# KiCad board rabbit_mask_video_edit.kicad_pcb (continued)
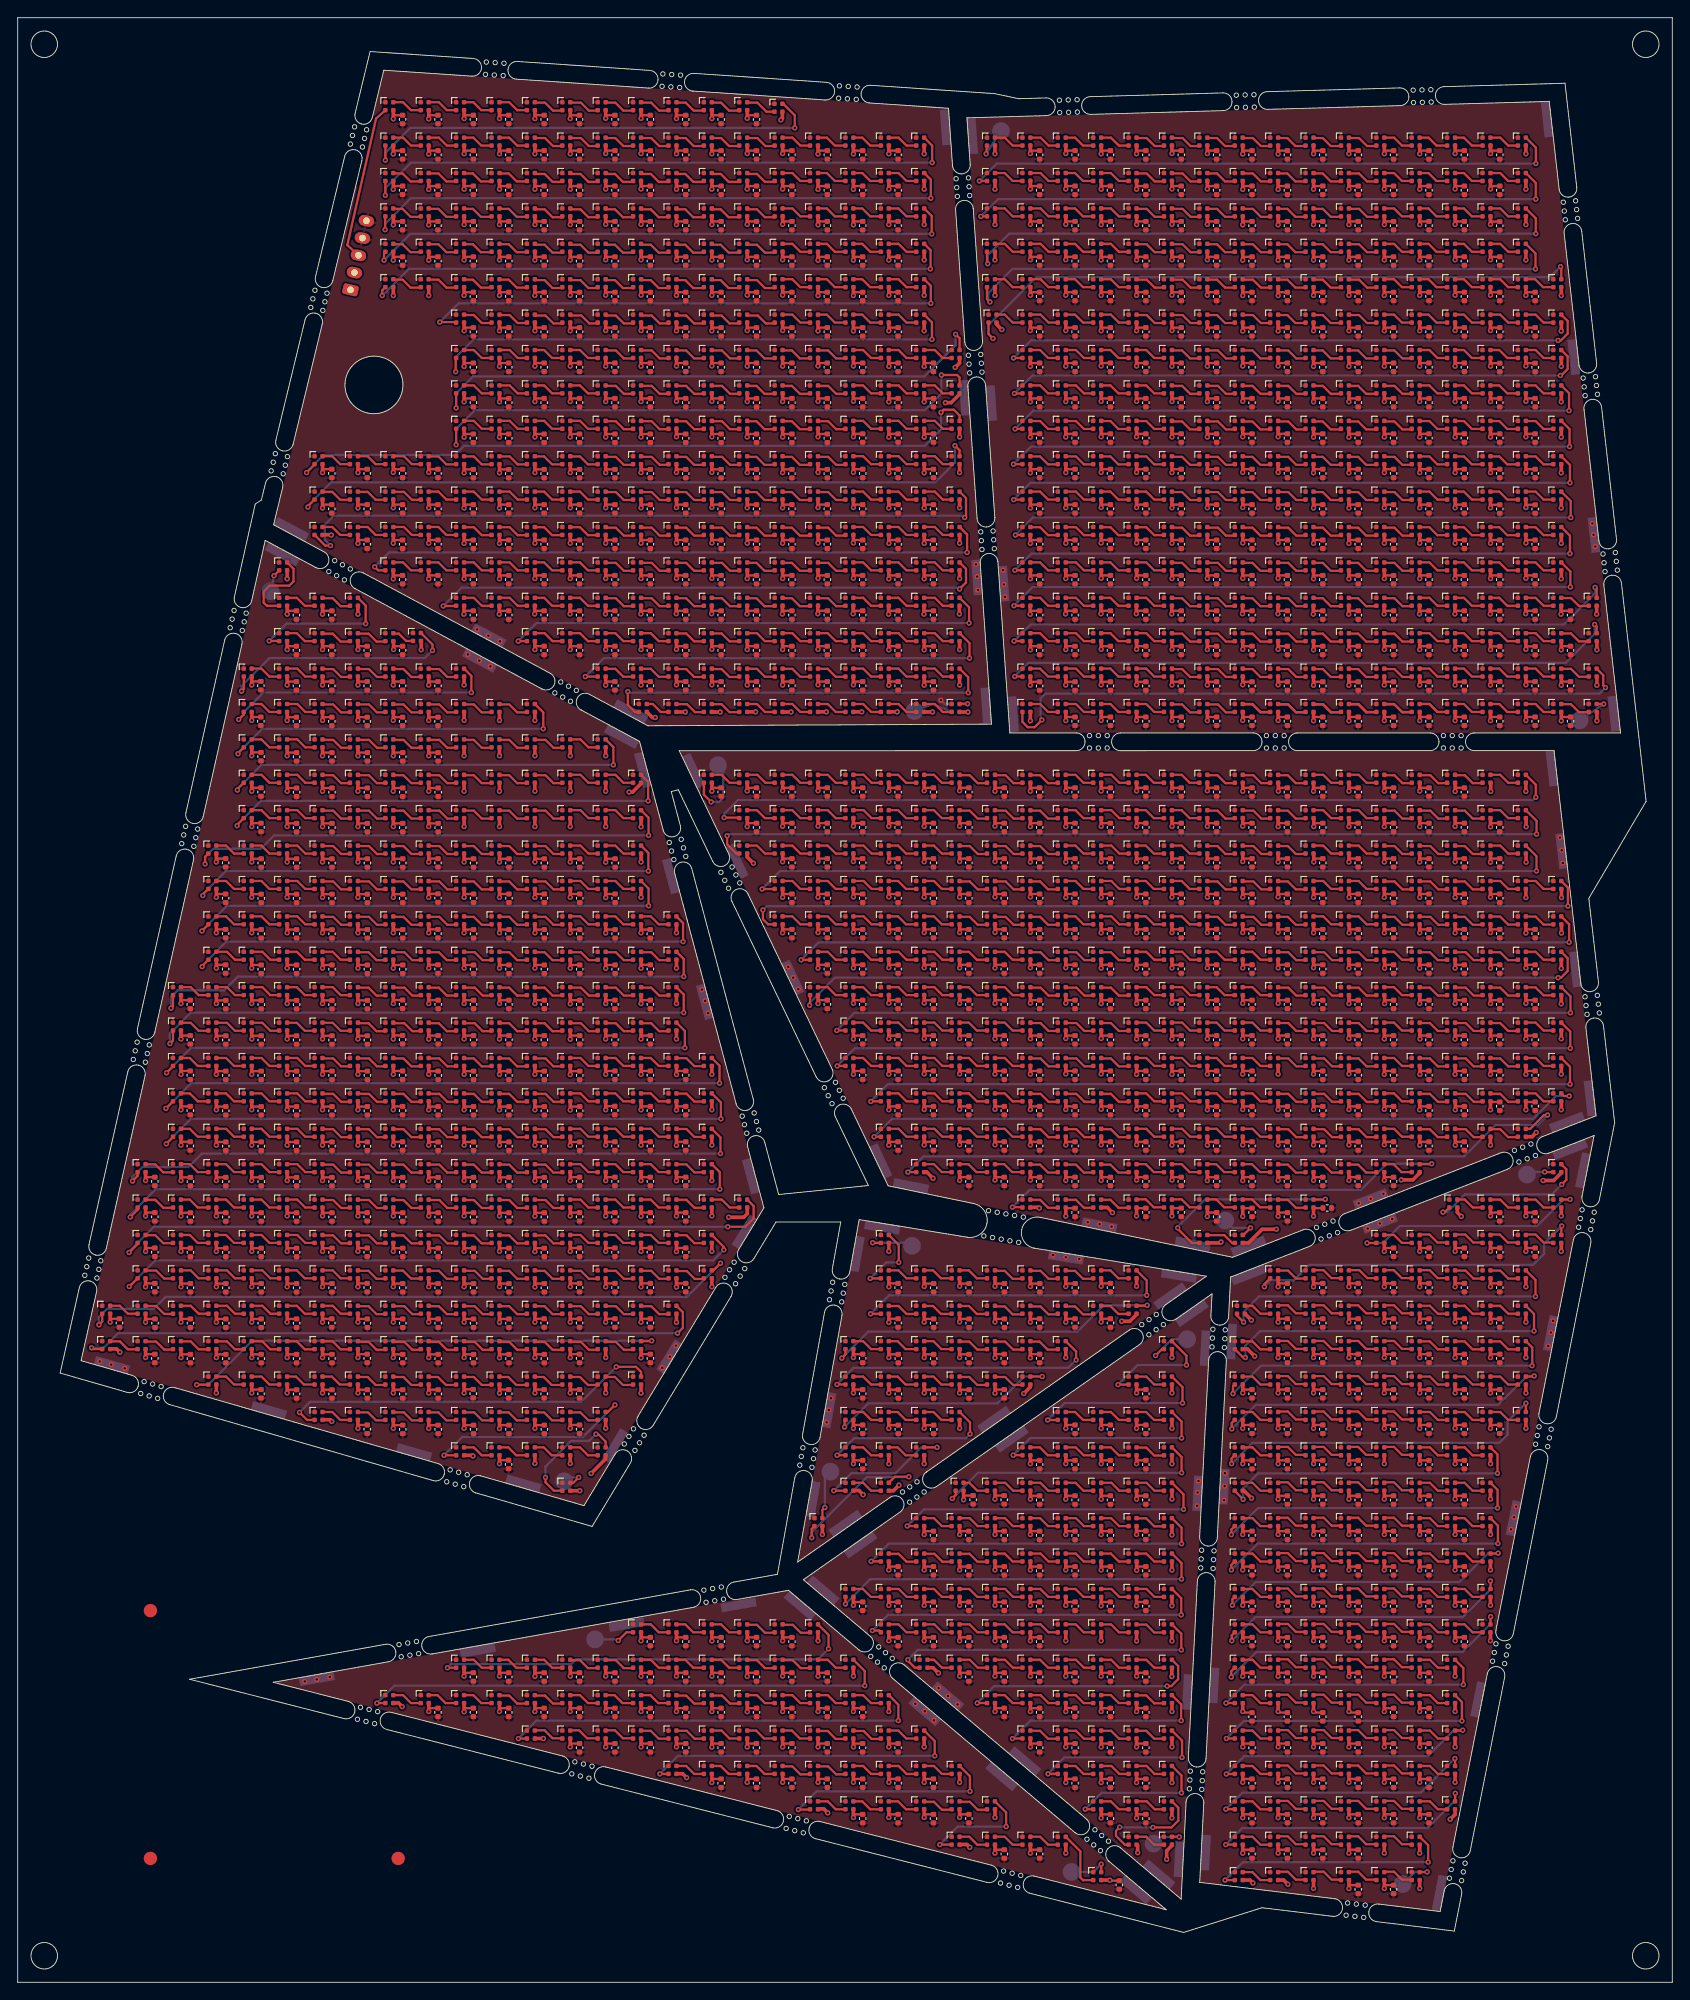
[diagram p0: board, top side]
## Routing (per net, layer and track width the routed paths; a pad name or vN(x,y) marks a point on that pad's centre or on a via; arc(x,y) is an arc through that point) (continued)
Net-(D770-DOUT): length 3.5
  Top w0.25: 162.45,120.4 163.55,120.4 164.45,119.5 165.55,119.5
Net-(D771-DOUT): length 3.5
  Top w0.25: 169.55,119.53 168.45,119.53 167.55,120.42 166.45,120.42
Net-(D772-DOUT): length 3.5
  Top w0.25: 170.45,120.42 171.55,120.42 172.45,119.53 173.55,119.53
Net-(D773-DOUT): length 91.9
  Top w0.25: v1(88.54,115.54) 89.54,115.54 D788.1 ; D773.3 175.34,119.56 v1(175.34,117.52)
  Bottom w0.25: v1(88.54,115.54) 90.52,117.52 v1(175.34,117.52)
Net-(D774-DOUT): length 3.5
  Top w0.25: 22.55,116.45 23.65,116.45 24.55,115.55 25.65,115.55
Net-(D775-DOUT): length 3.5
  Top w0.25: 26.55,116.45 27.65,116.45 28.55,115.55 29.65,115.55
Net-(D776-DOUT): length 3.5
  Top w0.25: D776.3 31.55,116.45 32.45,115.55 D777.1
Net-(D777-DOUT): length 3.5
  Top w0.25: 37.6,115.55 36.5,115.55 35.6,116.45 34.5,116.45
Net-(D778-DOUT): length 3.5
  Top w0.25: 41.65,115.5 40.55,115.5 39.65,116.4 38.55,116.4
Net-(D779-DOUT): length 3.5
  Top w0.25: 45.7,115.5 44.6,115.5 43.7,116.4 42.6,116.4
Net-(D780-DOUT): length 3.5
  Top w0.25: 46.5,116.4 47.6,116.4 48.5,115.5 49.6,115.5
Net-(D781-DOUT): length 3.5
  Top w0.25: 50.55,116.4 51.65,116.4 52.55,115.5 53.65,115.5
Net-(D782-DOUT): length 3.5
  Top w0.25: 57.55,115.5 56.45,115.5 55.55,116.4 54.45,116.4
Net-(D783-DOUT): length 3.5
  Top w0.25: 58.45,116.4 59.55,116.4 60.45,115.5 61.55,115.5
Net-(D784-DOUT): length 3.5
  Top w0.25: 65.65,115.5 64.55,115.5 63.65,116.4 62.55,116.4
Net-(D785-DOUT): length 3.5
  Top w0.25: 66.5,116.4 67.6,116.4 68.5,115.5 69.6,115.5
Net-(D786-DOUT): length 3.5
  Top w0.25: 73.6,115.5 72.5,115.5 71.6,116.4 70.5,116.4
Net-(D787-DOUT): length 64.9
  Top w0.25: D810.1 17.55,110.3 v1(17.33,110.07) ; D787.3 75.28,115.62 v1(75.28,113.65)
  Bottom w0.25: v1(75.28,113.65) 24.88,113.65 23.33,112.1 18.08,112.1 17.33,111.35 v1(17.33,110.07)
Net-(D788-DOUT): length 3.5
  Top w0.25: D788.3 91.55,116.45 92.45,115.55 D789.1
Net-(D789-DOUT): length 3.5
  Top w0.25: D790.1 96.45,115.55 95.55,116.45 D789.3
Net-(D790-DOUT): length 3.5
  Top w0.25: D791.1 100.45,115.55 99.55,116.45 D790.3
Net-(D791-DOUT): length 3.5
  Top w0.25: 105.6,115.55 104.5,115.55 103.6,116.45 102.5,116.45
Net-(D792-DOUT): length 3.5
  Top w0.25: 106.4,116.45 107.5,116.45 108.4,115.55 109.5,115.55
Net-(D793-DOUT): length 3.5
  Top w0.25: D794.1 112.45,115.55 111.55,116.45 D793.3
Net-(D794-DOUT): length 3.5
  Top w0.25: 117.6,115.5 116.5,115.5 115.6,116.4 114.5,116.4
Net-(D795-DOUT): length 3.5
  Top w0.25: 121.65,115.5 120.55,115.5 119.65,116.4 118.55,116.4
Net-(D796-DOUT): length 3.5
  Top w0.25: 125.55,115.5 124.45,115.5 123.55,116.4 122.45,116.4
Net-(D797-DOUT): length 3.5
  Top w0.25: D797.3 127.55,116.45 128.45,115.55 D798.1
Net-(D798-DOUT): length 3.5
  Top w0.25: 133.6,115.55 132.5,115.55 131.6,116.45 130.5,116.45
Net-(D799-DOUT): length 3.5
  Top w0.25: 134.4,116.45 135.5,116.45 136.4,115.55 137.5,115.55
Net-(D800-DOUT): length 3.5
  Top w0.25: D801.1 140.45,115.55 139.55,116.45 D800.3
Net-(D801-DOUT): length 3.5
  Top w0.25: 142.5,116.4 143.6,116.4 144.5,115.5 145.6,115.5
Net-(D802-DOUT): length 3.5
  Top w0.25: 149.65,115.5 148.55,115.5 147.65,116.4 146.55,116.4
Net-(D803-DOUT): length 3.5
  Top w0.25: 150.45,116.4 151.55,116.4 152.45,115.5 153.55,115.5
Net-(D804-DOUT): length 3.5
  Top w0.25: D805.1 156.45,115.55 155.55,116.45 D804.3
Net-(D805-DOUT): length 3.5
  Top w0.25: 158.5,116.4 159.6,116.4 160.5,115.5 161.6,115.5
Net-(D806-DOUT): length 3.5
  Top w0.25: 162.55,116.4 163.65,116.4 164.55,115.5 165.65,115.5
Net-(D807-DOUT): length 3.5
  Top w0.25: 169.55,115.5 168.45,115.5 167.55,116.4 166.45,116.4
Net-(D808-DOUT): length 3.5
  Top w0.25: D808.3 171.55,116.45 172.45,115.55 D809.1
Net-(D809-DOUT): length 91.1
  Top w0.25: v1(89.5,110.4) 89.55,110.45 D825.1 ; v1(174.1,113.52) 174.42,113.52 175.18,114.27 175.18,115.72 D809.3
  Bottom w0.25: v1(89.5,110.4) 89.5,110.68 92.34,113.52 v1(174.1,113.52)
Net-(D810-DOUT): length 3.5
  Top w0.25: D810.3 19.55,112.45 20.45,111.55 D811.1
Net-(D811-DOUT): length 3.5
  Top w0.25: 25.65,111.55 24.55,111.55 23.65,112.45 22.55,112.45
Net-(D812-DOUT): length 3.5
  Top w0.25: 29.65,111.55 28.55,111.55 27.65,112.45 26.55,112.45
Net-(D813-DOUT): length 3.5
  Top w0.25: D813.3 31.55,112.45 32.45,111.55 D814.1
Net-(D814-DOUT): length 3.5
  Top w0.25: 37.6,111.55 36.5,111.55 35.6,112.45 34.5,112.45
Net-(D815-DOUT): length 3.5
  Top w0.25: 38.55,112.4 39.65,112.4 40.55,111.5 41.65,111.5
Net-(D816-DOUT): length 3.5
  Top w0.25: 45.7,111.5 44.6,111.5 43.7,112.4 42.6,112.4
Net-(D817-DOUT): length 3.5
  Top w0.25: 46.5,112.4 47.6,112.4 48.5,111.5 49.6,111.5
Net-(D818-DOUT): length 3.5
  Top w0.25: 53.65,111.5 52.55,111.5 51.65,112.4 50.55,112.4
Net-(D819-DOUT): length 3.5
  Top w0.25: 57.55,111.5 56.45,111.5 55.55,112.4 54.45,112.4
Net-(D820-DOUT): length 3.5
  Top w0.25: 58.45,112.4 59.55,112.4 60.45,111.5 61.55,111.5
Net-(D821-DOUT): length 3.5
  Top w0.25: 65.65,111.5 64.55,111.5 63.65,112.4 62.55,112.4
Net-(D822-DOUT): length 3.5
  Top w0.25: 69.6,111.5 68.5,111.5 67.6,112.4 66.5,112.4
Net-(D823-DOUT): length 3.5
  Top w0.25: 70.5,112.4 71.6,112.4 72.5,111.5 73.6,111.5
Net-(D824-DOUT): length 65
  Top w0.25: v1(75.28,109.57) 75.28,111.62 D824.3 ; v1(17.2,106.07) 17.55,106.43 D847.1
  Bottom w0.25: v1(17.2,106.07) 17.2,107.22 19.55,109.57 v1(75.28,109.57)
Net-(D825-DOUT): length 3.5
  Top w0.25: D826.1 92.45,111.55 91.55,112.45 D825.3
Net-(D826-DOUT): length 3.5
  Top w0.25: D827.1 96.45,111.55 95.55,112.45 D826.3
Net-(D827-DOUT): length 3.5
  Top w0.25: D827.3 99.55,112.45 100.45,111.55 D828.1
Net-(D828-DOUT): length 3.5
  Top w0.25: 105.6,111.55 104.5,111.55 103.6,112.45 102.5,112.45
Net-(D829-DOUT): length 3.5
  Top w0.25: 109.5,111.55 108.4,111.55 107.5,112.45 106.4,112.45
Net-(D830-DOUT): length 3.5
  Top w0.25: D830.3 111.55,112.45 112.45,111.55 D831.1
Net-(D831-DOUT): length 3.5
  Top w0.25: 114.5,112.4 115.6,112.4 116.5,111.5 117.6,111.5
Net-(D832-DOUT): length 3.5
  Top w0.25: 118.55,112.4 119.65,112.4 120.55,111.5 121.65,111.5
Net-(D833-DOUT): length 3.5
  Top w0.25: 122.45,112.4 123.55,112.4 124.45,111.5 125.55,111.5
Net-(D834-DOUT): length 3.5
  Top w0.25: D835.1 128.45,111.55 127.55,112.45 D834.3
Net-(D835-DOUT): length 3.5
  Top w0.25: 130.5,112.45 131.6,112.45 132.5,111.55 133.6,111.55
Net-(D836-DOUT): length 3.5
  Top w0.25: 134.4,112.45 135.5,112.45 136.4,111.55 137.5,111.55
Net-(D837-DOUT): length 3.5
  Top w0.25: D838.1 140.45,111.55 139.55,112.45 D837.3
Net-(D838-DOUT): length 3.5
  Top w0.25: 145.6,111.5 144.5,111.5 143.6,112.4 142.5,112.4
Net-(D839-DOUT): length 3.5
  Top w0.25: 149.65,111.5 148.55,111.5 147.65,112.4 146.55,112.4
Net-(D840-DOUT): length 3.5
  Top w0.25: 150.45,112.4 151.55,112.4 152.45,111.5 153.55,111.5
Net-(D841-DOUT): length 3.5
  Top w0.25: D842.1 156.45,111.55 155.55,112.45 D841.3
Net-(D842-DOUT): length 3.5
  Top w0.25: 158.5,112.4 159.6,112.4 160.5,111.5 161.6,111.5
Net-(D843-DOUT): length 3.5
  Top w0.25: 165.65,111.5 164.55,111.5 163.65,112.4 162.55,112.4
Net-(D844-DOUT): length 3.5
  Top w0.25: 169.55,111.5 168.45,111.5 167.55,112.4 166.45,112.4
Net-(D845-DOUT): length 3.5
  Top w0.25: 173.55,111.53 172.45,111.53 171.55,112.43 170.45,112.43
Net-(D846-DOUT): length 88.1
  Top w0.25: v1(175.49,109.56) 175.49,111.41 D846.3 ; v1(92.57,107.56) 93.54,107.56 D862.1
  Bottom w0.25: v1(92.57,107.56) 94.57,109.56 v1(175.49,109.56)
Net-(D847-DOUT): length 3.5
  Top w0.25: 18.45,108.43 19.55,108.43 20.45,107.53 21.55,107.53
Net-(D848-DOUT): length 3.5
  Top w0.25: 22.55,108.43 23.65,108.43 24.55,107.53 25.65,107.53
Net-(D849-DOUT): length 3.5
  Top w0.25: 26.55,108.43 27.65,108.43 28.55,107.53 29.65,107.53
Net-(D850-DOUT): length 3.5
  Top w0.25: 33.55,107.53 32.45,107.53 31.55,108.43 30.45,108.43
Net-(D851-DOUT): length 3.5
  Top w0.25: 34.5,108.43 35.6,108.43 36.5,107.53 37.6,107.53
Net-(D852-DOUT): length 3.5
  Top w0.25: 38.55,108.38 39.65,108.38 40.55,107.47 41.65,107.47
Net-(D853-DOUT): length 3.5
  Top w0.25: 45.7,107.47 44.6,107.47 43.7,108.38 42.6,108.38
Net-(D854-DOUT): length 3.5
  Top w0.25: 49.6,107.47 48.5,107.47 47.6,108.38 46.5,108.38
Net-(D855-DOUT): length 3.5
  Top w0.25: 53.65,107.47 52.55,107.47 51.65,108.38 50.55,108.38
Net-(D856-DOUT): length 3.5
  Top w0.25: 57.55,107.47 56.45,107.47 55.55,108.38 54.45,108.38
Net-(D857-DOUT): length 3.5
  Top w0.25: 58.45,108.38 59.55,108.38 60.45,107.47 61.55,107.47
Net-(D858-DOUT): length 3.5
  Top w0.25: 62.55,108.38 63.65,108.38 64.55,107.47 65.65,107.47
Net-(D859-DOUT): length 3.5
  Top w0.25: 66.5,108.38 67.6,108.38 68.5,107.47 69.6,107.47
Net-(D860-DOUT): length 3.5
  Top w0.25: 70.5,108.38 71.6,108.38 72.5,107.47 73.6,107.47
Net-(D861-DOUT): length 64.1
  Top w0.25: D883.1 17.55,103.5 v1(16.83,102.78) ; D861.3 75.4,107.5 v1(75.4,105.6)
  Bottom w0.25: v1(16.83,102.78) 16.83,102.82 19.6,105.6 v1(75.4,105.6)
Net-(D862-DOUT): length 3.5
  Top w0.25: D862.3 95.55,108.45 96.45,107.55 D863.1
Net-(D863-DOUT): length 3.5
  Top w0.25: D863.3 99.55,108.45 100.45,107.55 D864.1
Net-(D864-DOUT): length 3.5
  Top w0.25: 102.5,108.45 103.6,108.45 104.5,107.55 105.6,107.55
Net-(D865-DOUT): length 3.5
  Top w0.25: 106.4,108.45 107.5,108.45 108.4,107.55 109.5,107.55
Net-(D866-DOUT): length 3.5
  Top w0.25: D866.3 111.55,108.45 112.45,107.55 D867.1
Net-(D867-DOUT): length 3.5
  Top w0.25: 114.5,108.4 115.6,108.4 116.5,107.5 117.6,107.5
Net-(D868-DOUT): length 3.5
  Top w0.25: 121.65,107.5 120.55,107.5 119.65,108.4 118.55,108.4
Net-(D869-DOUT): length 3.5
  Top w0.25: 125.55,107.5 124.45,107.5 123.55,108.4 122.45,108.4
Net-(D870-DOUT): length 3.5
  Top w0.25: D871.1 128.45,107.55 127.55,108.45 D870.3
Net-(D871-DOUT): length 3.5
  Top w0.25: 130.5,108.45 131.6,108.45 132.5,107.55 133.6,107.55
Net-(D872-DOUT): length 3.5
  Top w0.25: 134.4,108.45 135.5,108.45 136.4,107.55 137.5,107.55
Net-(D873-DOUT): length 3.5
  Top w0.25: D873.3 139.55,108.45 140.45,107.55 D874.1
Net-(D874-DOUT): length 3.5
  Top w0.25: 142.5,108.4 143.6,108.4 144.5,107.5 145.6,107.5
Net-(D875-DOUT): length 3.5
  Top w0.25: 149.65,107.5 148.55,107.5 147.65,108.4 146.55,108.4
Net-(D876-DOUT): length 3.5
  Top w0.25: 150.45,108.4 151.55,108.4 152.45,107.5 153.55,107.5
Net-(D877-DOUT): length 3.5
  Top w0.25: D878.1 156.45,107.55 155.55,108.45 D877.3
Net-(D878-DOUT): length 3.5
  Top w0.25: 158.5,108.4 159.6,108.4 160.5,107.5 161.6,107.5
Net-(D879-DOUT): length 3.5
  Top w0.25: 165.65,107.5 164.55,107.5 163.65,108.4 162.55,108.4
Net-(D880-DOUT): length 3.5
  Top w0.25: 169.55,107.5 168.45,107.5 167.55,108.4 166.45,108.4
Net-(D881-DOUT): length 3.5
  Top w0.25: D881.3 171.55,108.45 172.45,107.55 D882.1
Net-(D882-DOUT): length 87.9
  Top w0.25: v1(175.47,105.55) 175.47,107.43 D882.3 ; v1(92.62,103.55) D899.1
  Bottom w0.25: v1(92.62,103.55) 94.62,105.55 v1(175.47,105.55)
Net-(D883-DOUT): length 3.5
  Top w0.25: 21.45,103.55 20.35,103.55 19.45,104.45 18.35,104.45
Net-(D884-DOUT): length 3.5
  Top w0.25: D885.1 24.45,103.55 23.55,104.45 D884.3
Net-(D885-DOUT): length 3.5
  Top w0.25: D886.1 28.45,103.55 27.55,104.45 D885.3
Net-(D886-DOUT): length 3.5
  Top w0.25: 33.6,103.55 32.5,103.55 31.6,104.45 30.5,104.45
Net-(D887-DOUT): length 3.5
  Top w0.25: 34.55,104.4 35.65,104.4 36.55,103.5 37.65,103.5
Net-(D888-DOUT): length 3.5
  Top w0.25: 41.7,103.5 40.6,103.5 39.7,104.4 38.6,104.4
Net-(D889-DOUT): length 3.5
  Top w0.25: 42.5,104.4 43.6,104.4 44.5,103.5 45.6,103.5
Net-(D890-DOUT): length 3.5
  Top w0.25: 46.55,104.4 47.65,104.4 48.55,103.5 49.65,103.5
Net-(D891-DOUT): length 3.5
  Top w0.25: 50.45,104.4 51.55,104.4 52.45,103.5 53.55,103.5
Net-(D892-DOUT): length 3.5
  Top w0.25: 57.55,103.5 56.45,103.5 55.55,104.4 54.45,104.4
Net-(D893-DOUT): length 3.5
  Top w0.25: 58.55,104.4 59.65,104.4 60.55,103.5 61.65,103.5
Net-(D894-DOUT): length 3.5
  Top w0.25: 62.5,104.45 63.6,104.45 64.5,103.55 65.6,103.55
Net-(D895-DOUT): length 3.5
  Top w0.25: D896.1 68.45,103.55 67.55,104.45 D895.3
Net-(D896-DOUT): length 3.5
  Top w0.25: D896.3 71.55,104.45 72.45,103.55 D897.1
Net-(D897-DOUT): length 3.5
  Top w0.25: 77.58,103.53 76.47,103.53 75.58,104.43 74.47,104.43
Net-(D898-DOUT): length 68.1
  Top w0.25: v1(16.75,98.75) D920.1 ; v1(79.33,101.6) 79.33,103.57 D898.3
  Bottom w0.25: v1(79.33,101.6) 19.6,101.6 v1(16.75,98.75)
Net-(D899-DOUT): length 3.5
  Top w0.25: D900.1 96.45,103.55 95.55,104.45 D899.3
Net-(D900-DOUT): length 3.5
  Top w0.25: D900.3 99.55,104.45 100.45,103.55 D901.1
Net-(D901-DOUT): length 3.5
  Top w0.25: 102.5,104.45 103.6,104.45 104.5,103.55 105.6,103.55
Net-(D902-DOUT): length 3.5
  Top w0.25: 109.5,103.55 108.4,103.55 107.5,104.45 106.4,104.45
Net-(D903-DOUT): length 3.5
  Top w0.25: D904.1 112.45,103.55 111.55,104.45 D903.3
Net-(D904-DOUT): length 3.5
  Top w0.25: 117.6,103.5 116.5,103.5 115.6,104.4 114.5,104.4
Net-(D905-DOUT): length 3.5
  Top w0.25: 121.65,103.5 120.55,103.5 119.65,104.4 118.55,104.4
Net-(D906-DOUT): length 3.5
  Top w0.25: 125.55,103.5 124.45,103.5 123.55,104.4 122.45,104.4
Net-(D907-DOUT): length 3.5
  Top w0.25: D907.3 127.55,104.45 128.45,103.55 D908.1
Net-(D908-DOUT): length 3.5
  Top w0.25: 133.6,103.55 132.5,103.55 131.6,104.45 130.5,104.45
Net-(D909-DOUT): length 3.5
  Top w0.25: 134.4,104.45 135.5,104.45 136.4,103.55 137.5,103.55
Net-(D910-DOUT): length 3.5
  Top w0.25: D911.1 140.45,103.55 139.55,104.45 D910.3
Net-(D911-DOUT): length 3.5
  Top w0.25: 142.5,104.4 143.6,104.4 144.5,103.5 145.6,103.5
Net-(D912-DOUT): length 3.5
  Top w0.25: 146.55,104.4 147.65,104.4 148.55,103.5 149.65,103.5
Net-(D913-DOUT): length 3.5
  Top w0.25: 153.55,103.5 152.45,103.5 151.55,104.4 150.45,104.4
Net-(D914-DOUT): length 3.5
  Top w0.25: D915.1 156.45,103.55 155.55,104.45 D914.3
Net-(D915-DOUT): length 3.5
  Top w0.25: 158.5,104.4 159.6,104.4 160.5,103.5 161.6,103.5
Net-(D916-DOUT): length 3.5
  Top w0.25: 165.65,103.5 164.55,103.5 163.65,104.4 162.55,104.4
Net-(D917-DOUT): length 3.5
  Top w0.25: 166.45,104.4 167.55,104.4 168.45,103.5 169.55,103.5
Net-(D918-DOUT): length 3.5
  Top w0.25: D918.3 171.55,104.45 172.45,103.55 D919.1
Net-(D919-DOUT): length 84.4
  Top w0.25: v1(175.44,101.49) 175.44,103.46 D919.3 ; D936.1 96.42,99.55 v1(96.41,99.54)
  Bottom w0.25: v1(175.44,101.49) 162.53,101.49 162.52,101.5 98.37,101.5 v1(96.41,99.54)
Net-(D920-DOUT): length 3.5
  Top w0.25: 21.45,99.55 20.35,99.55 19.45,100.45 18.35,100.45
Net-(D921-DOUT): length 3.5
  Top w0.25: D922.1 24.45,99.55 23.55,100.45 D921.3
Net-(D922-DOUT): length 3.5
  Top w0.25: D923.1 28.45,99.55 27.55,100.45 D922.3
Net-(D923-DOUT): length 3.5
  Top w0.25: 33.6,99.55 32.5,99.55 31.6,100.45 30.5,100.45
Net-(D924-DOUT): length 3.5
  Top w0.25: 37.65,99.5 36.55,99.5 35.65,100.4 34.55,100.4
Net-(D925-DOUT): length 3.5
  Top w0.25: 38.6,100.4 39.7,100.4 40.6,99.5 41.7,99.5
Net-(D926-DOUT): length 3.5
  Top w0.25: 42.5,100.4 43.6,100.4 44.5,99.5 45.6,99.5
Net-(D927-DOUT): length 3.5
  Top w0.25: 49.65,99.5 48.55,99.5 47.65,100.4 46.55,100.4
Net-(D928-DOUT): length 3.5
  Top w0.25: 53.55,99.5 52.45,99.5 51.55,100.4 50.45,100.4
Net-(D929-DOUT): length 3.5
  Top w0.25: 57.55,99.5 56.45,99.5 55.55,100.4 54.45,100.4
Net-(D930-DOUT): length 3.5
  Top w0.25: 61.65,99.5 60.55,99.5 59.65,100.4 58.55,100.4
Net-(D931-DOUT): length 3.5
  Top w0.25: 65.6,99.55 64.5,99.55 63.6,100.45 62.5,100.45
Net-(D932-DOUT): length 3.5
  Top w0.25: D933.1 68.45,99.55 67.55,100.45 D932.3
Net-(D933-DOUT): length 3.5
  Top w0.25: D934.1 72.45,99.55 71.55,100.45 D933.3
Net-(D934-DOUT): length 3.5
  Top w0.25: 77.58,99.53 76.47,99.53 75.58,100.43 74.47,100.43
Net-(D935-DOUT): length 68.3
  Top w0.25: D935.3 79.47,99.43 v1(79.47,97.57) ; D956.1 17.55,95.5 v1(16.8,94.75)
  Bottom w0.25: v1(16.8,94.75) 16.8,94.8 19.58,97.57 v1(79.47,97.57)
Net-(D936-DOUT): length 3.5
  Top w0.25: D936.3 99.55,100.45 100.45,99.55 D937.1
Net-(D937-DOUT): length 3.5
  Top w0.25: 105.6,99.55 104.5,99.55 103.6,100.45 102.5,100.45
Net-(D938-DOUT): length 3.5
  Top w0.25: 106.4,100.45 107.5,100.45 108.4,99.55 109.5,99.55
Net-(D939-DOUT): length 3.5
  Top w0.25: D939.3 111.55,100.45 112.45,99.55 D940.1
Net-(D940-DOUT): length 3.5
  Top w0.25: 114.5,100.4 115.6,100.4 116.5,99.5 117.6,99.5
Net-(D941-DOUT): length 3.5
  Top w0.25: 118.55,100.4 119.65,100.4 120.55,99.5 121.65,99.5
Net-(D942-DOUT): length 3.5
  Top w0.25: 122.45,100.4 123.55,100.4 124.45,99.5 125.55,99.5
Net-(D943-DOUT): length 3.5
  Top w0.25: D943.3 127.55,100.45 128.45,99.55 D944.1
Net-(D944-DOUT): length 3.5
  Top w0.25: 133.6,99.55 132.5,99.55 131.6,100.45 130.5,100.45
Net-(D945-DOUT): length 3.5
  Top w0.25: 137.5,99.55 136.4,99.55 135.5,100.45 134.4,100.45
Net-(D946-DOUT): length 3.5
  Top w0.25: D946.3 139.55,100.45 140.45,99.55 D947.1
Net-(D947-DOUT): length 3.5
  Top w0.25: 145.6,99.5 144.5,99.5 143.6,100.4 142.5,100.4
Net-(D948-DOUT): length 3.5
  Top w0.25: 149.65,99.5 148.55,99.5 147.65,100.4 146.55,100.4
Net-(D949-DOUT): length 3.5
  Top w0.25: 150.45,100.4 151.55,100.4 152.45,99.5 153.55,99.5
Net-(D950-DOUT): length 3.5
  Top w0.25: D951.1 156.45,99.55 155.55,100.45 D950.3
Net-(D951-DOUT): length 3.5
  Top w0.25: 161.6,99.5 160.5,99.5 159.6,100.4 158.5,100.4
Net-(D952-DOUT): length 3.5
  Top w0.25: 162.55,100.4 163.65,100.4 164.55,99.5 165.65,99.5
Net-(D953-DOUT): length 3.5
  Top w0.25: 169.55,99.5 168.45,99.5 167.55,100.4 166.45,100.4
Net-(D954-DOUT): length 3.5
  Top w0.25: D955.1 172.45,99.55 171.55,100.45 D954.3
Net-(D955-DOUT): length 82.2
  Top w0.25: v1(96.79,95.55) D972.1 ; D955.3 174.75,100.15 v1(175.35,100.15)
  Bottom w0.25: v1(175.35,100.15) 173.85,100.15 171.28,97.58 98.82,97.58 v1(96.79,95.55)
Net-(D956-DOUT): length 3.5
  Top w0.25: 18.35,96.45 19.45,96.45 20.35,95.55 21.45,95.55
Net-(D957-DOUT): length 3.5
  Top w0.25: D957.3 23.55,96.45 24.45,95.55 D958.1
Net-(D958-DOUT): length 3.5
  Top w0.25: D959.1 28.45,95.55 27.55,96.45 D958.3
Net-(D959-DOUT): length 3.5
  Top w0.25: 30.5,96.45 31.6,96.45 32.5,95.55 33.6,95.55
Net-(D960-DOUT): length 3.5
  Top w0.25: 34.55,96.4 35.65,96.4 36.55,95.5 37.65,95.5
Net-(D961-DOUT): length 3.5
  Top w0.25: 41.7,95.5 40.6,95.5 39.7,96.4 38.6,96.4
Net-(D962-DOUT): length 3.5
  Top w0.25: 45.6,95.5 44.5,95.5 43.6,96.4 42.5,96.4
Net-(D963-DOUT): length 3.5
  Top w0.25: 49.65,95.5 48.55,95.5 47.65,96.4 46.55,96.4
Net-(D964-DOUT): length 3.5
  Top w0.25: 50.45,96.4 51.55,96.4 52.45,95.5 53.55,95.5
Net-(D965-DOUT): length 3.5
  Top w0.25: 54.45,96.4 55.55,96.4 56.45,95.5 57.55,95.5
Net-(D966-DOUT): length 3.5
  Top w0.25: 58.55,96.4 59.65,96.4 60.55,95.5 61.65,95.5
Net-(D967-DOUT): length 3.5
  Top w0.25: 65.6,95.55 64.5,95.55 63.6,96.45 62.5,96.45
Net-(D968-DOUT): length 3.5
  Top w0.25: D968.3 67.55,96.45 68.45,95.55 D969.1
Net-(D969-DOUT): length 3.5
  Top w0.25: D969.3 71.55,96.45 72.45,95.55 D970.1
Net-(D970-DOUT): length 3.5
  Top w0.25: 77.58,95.53 76.47,95.53 75.58,96.43 74.47,96.43
Net-(D971-DOUT): length 72.4
  Top w0.25: v1(79.42,93.65) 79.42,95.47 D971.3 ; D991.1 13.55,91.12 v1(12.98,90.55)
  Bottom w0.25: v1(79.42,93.65) 20.83,93.65 19.3,92.12 14.1,92.12 12.98,91 v1(12.98,90.55)
Net-(D972-DOUT): length 3.5
  Top w0.25: D973.1 100.45,95.55 99.55,96.45 D972.3
Net-(D973-DOUT): length 3.5
  Top w0.25: 102.5,96.45 103.6,96.45 104.5,95.55 105.6,95.55
Net-(D974-DOUT): length 3.5
  Top w0.25: 106.4,96.45 107.5,96.45 108.4,95.55 109.5,95.55
Net-(D975-DOUT): length 3.5
  Top w0.25: D976.1 112.45,95.55 111.55,96.45 D975.3
Net-(D976-DOUT): length 3.5
  Top w0.25: 117.6,95.5 116.5,95.5 115.6,96.4 114.5,96.4
Net-(D977-DOUT): length 3.5
  Top w0.25: 118.55,96.4 119.65,96.4 120.55,95.5 121.65,95.5
Net-(D978-DOUT): length 3.5
  Top w0.25: 122.45,96.4 123.55,96.4 124.45,95.5 125.55,95.5
Net-(D979-DOUT): length 3.5
  Top w0.25: D979.3 127.55,96.45 128.45,95.55 D980.1
Net-(D980-DOUT): length 3.5
  Top w0.25: 130.5,96.45 131.6,96.45 132.5,95.55 133.6,95.55
Net-(D981-DOUT): length 3.5
  Top w0.25: 137.5,95.55 136.4,95.55 135.5,96.45 134.4,96.45
Net-(D982-DOUT): length 3.5
  Top w0.25: D983.1 140.45,95.55 139.55,96.45 D982.3
Net-(D983-DOUT): length 3.5
  Top w0.25: 145.6,95.5 144.5,95.5 143.6,96.4 142.5,96.4
Net-(D984-DOUT): length 3.5
  Top w0.25: 146.55,96.4 147.65,96.4 148.55,95.5 149.65,95.5
Net-(D985-DOUT): length 3.5
  Top w0.25: 153.55,95.5 152.45,95.5 151.55,96.4 150.45,96.4
Net-(D986-DOUT): length 3.5
  Top w0.25: D987.1 156.45,95.55 155.55,96.45 D986.3
Net-(D987-DOUT): length 3.5
  Top w0.25: 158.5,96.4 159.6,96.4 160.5,95.5 161.6,95.5
Net-(D988-DOUT): length 3.5
  Top w0.25: 162.55,96.4 163.65,96.4 164.55,95.5 165.65,95.5
Net-(D989-DOUT): length 3.5
  Top w0.25: 169.55,95.5 168.45,95.5 167.55,96.4 166.45,96.4
Net-(D991-DOUT): length 3.5
  Top w0.25: 17.55,91.53 16.45,91.53 15.55,92.43 14.45,92.43
Net-(D992-DOUT): length 3.5
  Top w0.25: 21.45,91.55 20.35,91.55 19.45,92.45 18.35,92.45
Net-(D993-DOUT): length 3.5
  Top w0.25: D994.1 24.45,91.55 23.55,92.45 D993.3
Net-(D994-DOUT): length 3.5
  Top w0.25: D995.1 28.45,91.55 27.55,92.45 D994.3
Net-(D995-DOUT): length 3.5
  Top w0.25: 33.6,91.55 32.5,91.55 31.6,92.45 30.5,92.45
Net-(D996-DOUT): length 3.5
  Top w0.25: 37.65,91.5 36.55,91.5 35.65,92.4 34.55,92.4
Net-(D997-DOUT): length 3.5
  Top w0.25: 38.6,92.4 39.7,92.4 40.6,91.5 41.7,91.5
Net-(D998-DOUT): length 3.5
  Top w0.25: 45.6,91.5 44.5,91.5 43.6,92.4 42.5,92.4
Net-(D1000-DIN): length 3.5
  Top w0.25: 49.65,91.5 48.55,91.5 47.65,92.4 46.55,92.4
Net-(D1000-DOUT): length 3.5
  Top w0.25: 50.45,92.4 51.55,92.4 52.45,91.5 53.55,91.5
Net-(D1001-DOUT): length 3.5
  Top w0.25: 57.55,91.5 56.45,91.5 55.55,92.4 54.45,92.4
Net-(D1002-DOUT): length 3.5
  Top w0.25: 61.65,91.5 60.55,91.5 59.65,92.4 58.55,92.4
Net-(D1003-DOUT): length 3.5
  Top w0.25: 62.5,92.45 63.6,92.45 64.5,91.55 65.6,91.55
Net-(D1004-DOUT): length 3.5
  Top w0.25: D1005.1 68.45,91.55 67.55,92.45 D1004.3
Net-(D1005-DOUT): length 3.5
  Top w0.25: D1006.1 72.45,91.55 71.55,92.45 D1005.3
Net-(D1006-DOUT): length 3.5
  Top w0.25: 74.47,92.43 75.58,92.43 76.47,91.53 77.58,91.53
Net-(D1007-DOUT): length 72.7
  Top w0.25: v1(79.35,89.62) 79.35,91.55 D1007.3 ; v1(12.73,86.47) 13.55,87.3 D1024.1
  Bottom w0.25: v1(12.73,86.47) 12.73,86.75 15.6,89.62 v1(79.35,89.62)
Net-(D1008-DIN): length 79
  Top w0.25: v1(100.6,91.55) D1008.1 ; D990.3 170.95,96.45 172.5,98 v1(172.9,98)
  Bottom w0.25: v1(100.6,91.55) 102.39,93.34 163.48,93.34 167.01,96.87 171.77,96.87 v1(172.9,98)
Net-(D1008-DOUT): length 3.5
  Top w0.25: D1009.1 104.45,91.55 103.55,92.45 D1008.3
Net-(D1009-DOUT): length 3.5
  Top w0.25: 106.35,92.45 107.45,92.45 108.35,91.55 109.45,91.55
Net-(D1010-DOUT): length 3.5
  Top w0.25: 110.4,92.45 111.5,92.45 112.4,91.55 113.5,91.55
Net-(D1011-DOUT): length 3.5
  Top w0.25: 117.55,91.5 116.45,91.5 115.55,92.4 114.45,92.4
Net-(D1012-DOUT): length 3.5
  Top w0.25: 118.5,92.4 119.6,92.4 120.5,91.5 121.6,91.5
Net-(D1013-DOUT): length 3.5
  Top w0.25: 125.5,91.5 124.4,91.5 123.5,92.4 122.4,92.4
Net-(D1014-DOUT): length 3.5
  Top w0.25: 126.4,92.45 127.5,92.45 128.4,91.55 129.5,91.55
Net-(D1015-DOUT): length 3.5
  Top w0.25: D1016.1 132.45,91.55 131.55,92.45 D1015.3
Net-(D1016-DOUT): length 3.5
  Top w0.25: 137.45,91.55 136.35,91.55 135.45,92.45 134.35,92.45
Net-(D1017-DOUT): length 3.5
  Top w0.25: 141.5,91.55 140.4,91.55 139.5,92.45 138.4,92.45
Net-(D1018-DOUT): length 3.5
  Top w0.25: 142.45,92.4 143.55,92.4 144.45,91.5 145.55,91.5
Net-(D1019-DOUT): length 3.5
  Top w0.25: 146.5,92.4 147.6,92.4 148.5,91.5 149.6,91.5
Net-(D1020-DOUT): length 3.5
  Top w0.25: 153.5,91.5 152.4,91.5 151.5,92.4 150.4,92.4
Net-(D1021-DOUT): length 3.5
  Top w0.25: 157.5,91.55 156.4,91.55 155.5,92.45 154.4,92.45
Net-(D1022-DOUT): length 51.9
  Top w0.25: v1(112.42,87.59) 113.51,87.59 D1042.1 ; v1(159.8,92.5) 159.75,92.45 D1022.3
  Bottom w0.25: v1(112.42,87.59) 114.38,89.55 151.8,89.55 154.75,92.5 v1(159.8,92.5)
Net-(D1023-DOUT): length 18.4
  Top w0.25: v1(174.5,90.15) 175.03,90.68 175.03,91.88 D1023.3 ; D1051.1 161.28,87.03 v1(161.07,87.03)
  Bottom w0.25: v1(174.5,90.15) 173.38,89.03 163.56,89.03 161.56,87.03 v1(161.07,87.03)
Net-(D1024-DOUT): length 3.5
  Top w0.25: 14.45,88.43 15.55,88.43 16.45,87.53 17.55,87.53
Net-(D1025-DOUT): length 3.5
  Top w0.25: 21.45,87.55 20.35,87.55 19.45,88.45 18.35,88.45
Net-(D1026-DOUT): length 3.5
  Top w0.25: D1027.1 24.45,87.55 23.55,88.45 D1026.3
Net-(D1027-DOUT): length 3.5
  Top w0.25: D1028.1 28.45,87.55 27.55,88.45 D1027.3
Net-(D1028-DOUT): length 3.5
  Top w0.25: 33.6,87.55 32.5,87.55 31.6,88.45 30.5,88.45
Net-(D1029-DOUT): length 3.5
  Top w0.25: 37.65,87.5 36.55,87.5 35.65,88.4 34.55,88.4
Net-(D1030-DOUT): length 3.5
  Top w0.25: 41.7,87.5 40.6,87.5 39.7,88.4 38.6,88.4
Net-(D1031-DOUT): length 3.5
  Top w0.25: 42.5,88.4 43.6,88.4 44.5,87.5 45.6,87.5
Net-(D1032-DOUT): length 3.5
  Top w0.25: 49.65,87.5 48.55,87.5 47.65,88.4 46.55,88.4
Net-(D1033-DOUT): length 3.5
  Top w0.25: 50.45,88.4 51.55,88.4 52.45,87.5 53.55,87.5
Net-(D1034-DOUT): length 3.5
  Top w0.25: 57.55,87.5 56.45,87.5 55.55,88.4 54.45,88.4
Net-(D1035-DOUT): length 3.5
  Top w0.25: 61.65,87.5 60.55,87.5 59.65,88.4 58.55,88.4
